# Altium PCB 11BRANMB10H2_20170927.pcbdoc (part 11 of 11)
Units mm, origin at the board's own origin, x right, y up, seen from the top; angles counter-clockwise.
Board outline 91.65 x 48.25 mm, 6 copper layers (TOP, GND1, Singal, POWER, GND2, BOTTOM), stack 0.8 mm thick; 370 components, 289 nets, 1421 pads, 980 vias.
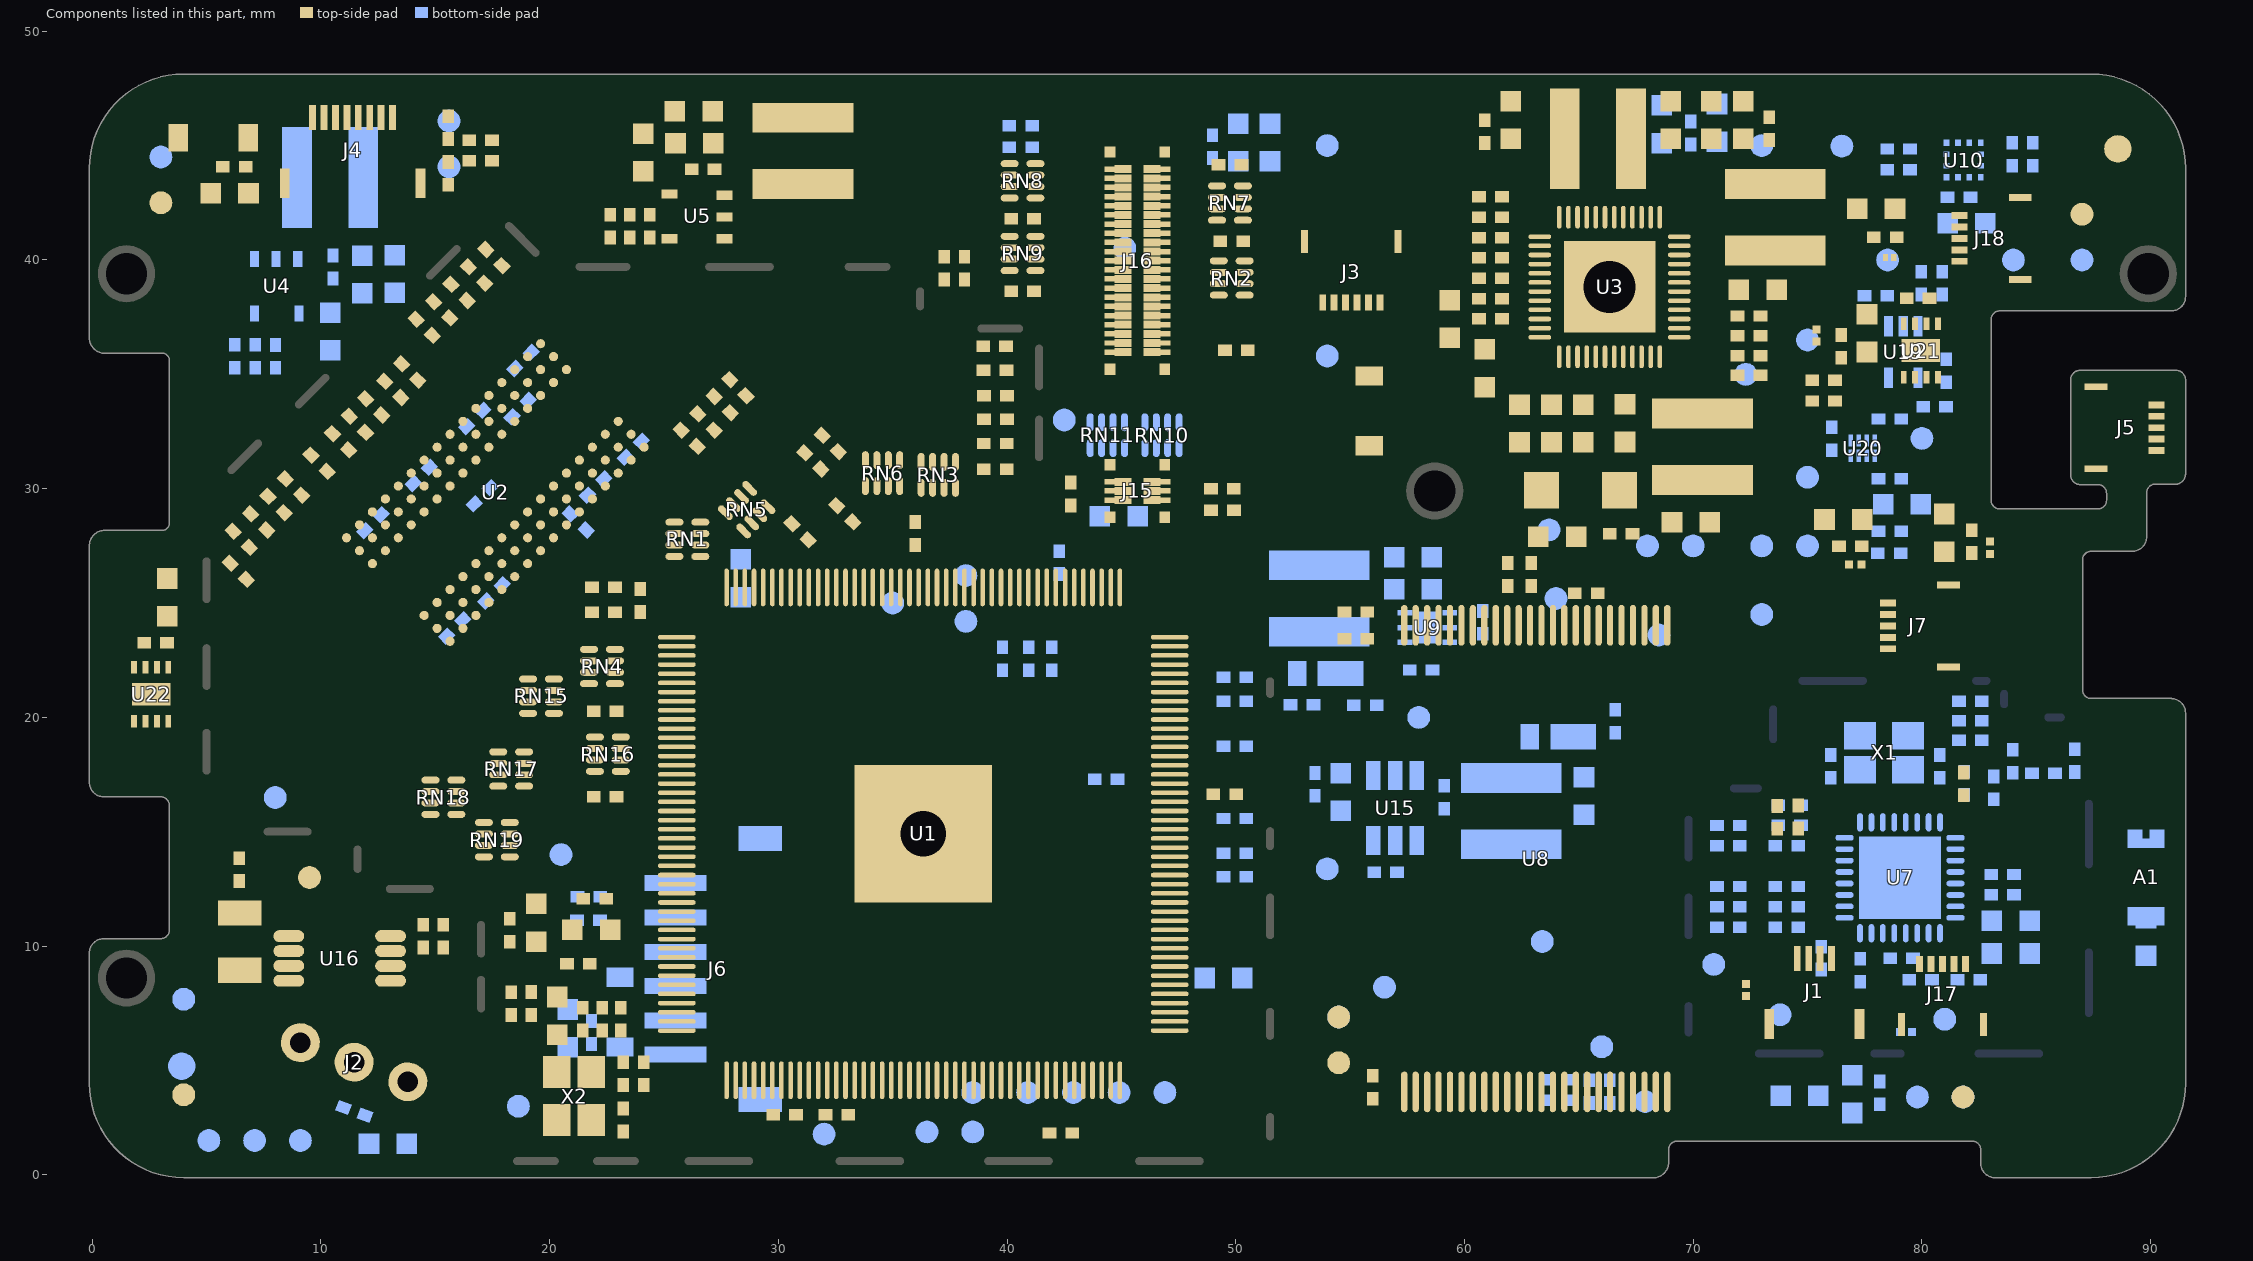
[diagram p15: the components of this part, seen from the top]

## Other copper (continued)
POWER:
  rectangle net CORE-VDD: 44.822,19.71 45.838,24.485
  rectangle net CORE-VDD: 57.065,34.518 57.522,36.22
  rectangle net CPU-VDD: 56.379,45.11 62.577,45.618
  rectangle net CORE-VDD: 59.097,35.237 59.325,39.116
  pour cut-out: 92.277,26.695 92.277,30.556 85.216,30.556 85.139,30.632 84.53,30.023 84.53,28.981 84.581,28.931 86.384,28.931 86.384,26.67
  pour cut-out: 92.277,26.681 92.277,30.542 85.216,30.542 85.139,30.618 84.53,30.009 84.53,28.967 84.581,28.916 86.384,28.916 86.384,26.656
  pour cut-out: 62.039,33.63 61.988,33.68 61.988,35.357 66.713,35.357 66.738,35.331 66.713,35.306 66.713,34.188 68.186,34.188 68.237,34.239 68.287,34.188 71.589,34.188 71.589,33.655 71.462,33.528 71.285,33.706 61.988,33.706
  pour cut-out: 69.354,44.425 69.354,43.815 71.564,43.815 71.564,44.348 71.513,44.399
  pour cut-out: 69.456,43.078 69.456,39.675 71.437,39.675 71.462,39.7 71.361,39.802 71.361,42.977
  pour cut-out: 71.158,38.71 69.43,38.71 69.43,34.112 69.634,33.909 71.564,33.909 71.564,38.659 71.589,38.684
  pour cut-out: 63.588,44.577 68.186,44.577 68.211,44.552 68.211,43.942 63.588,43.942
  pour cut-out: 10.507,34.899 10.964,34.442 10.964,34.417 13.097,36.55 12.462,37.185 12.132,37.185 10.253,35.306
  pour cut-out: 55.063,42.672 55.058,42.667 55.058,41.554 55.033,41.529 52.747,41.529 52.747,42.24 52.772,42.265
  pour cut-out: 20.667,14.529 28.21,14.529 28.464,14.783 28.464,23.469 28.566,23.571 28.972,23.571 29.023,23.52 29.023,14.275 28.896,14.148 20.667,14.148
  pour cut-out: 40.386,31.623 40.792,31.623 40.792,30.835 40.03,30.073 39.218,30.073 39.218,30.302 39.167,30.353 40.386,31.572
  pour cut-out: 26.949,6.197 26.949,5.461 27,5.41 28.804,7.213 28.829,7.213 28.829,7.366 31.039,9.576 30.861,9.753 30.632,9.753
  pour cut-out: 91.634,17.043 88.205,17.043 88.18,17.018 88.18,9.068 92.142,9.068
  pour cut-out: 81.677,38.811 81.677,28.702 84.776,28.702 84.776,37.058 84.725,37.109 84.776,37.16 88.307,37.16 88.307,38.811
  pour cut-out: 81.013,43.129 85.077,43.129 85.077,38.755 81.013,38.755
GND1:
  pour cut-out: 92.277,26.695 92.277,30.556 85.216,30.556 85.139,30.632 84.53,30.023 84.53,28.981 84.581,28.931 86.384,28.931 86.384,26.67
  pour cut-out: 91.634,17.018 88.205,17.018 88.18,16.992 88.18,9.042 92.142,9.042
  pour cut-out: 81.677,38.811 81.677,28.702 84.776,28.702 84.776,37.058 84.725,37.109 84.776,37.16 88.307,37.16 88.307,38.811
  pour cut-out: 81.013,43.129 85.077,43.129 85.077,38.755 81.013,38.755
GND2:
  pour cut-out: 92.277,26.695 92.277,30.556 85.216,30.556 85.139,30.632 84.53,30.023 84.53,28.981 84.581,28.931 86.384,28.931 86.384,26.67
  pour cut-out: 91.634,17.018 88.205,17.018 88.18,16.992 88.18,9.042 92.142,9.042
  pour cut-out: 81.677,38.811 81.677,28.702 84.776,28.702 84.776,37.058 84.725,37.109 84.776,37.16 88.307,37.16 88.307,38.811
  pour cut-out: 81.013,43.129 85.077,43.129 85.077,38.755 81.013,38.755
BOTTOM:
  rectangle net USBVBUS: 53.509,43.993 54.55,45.567
  rectangle net IPSOUT: 61.002,20.675 61.51,22.25
  rectangle net VCC-WIFI-3V3: 81.982,12.446 82.566,13.817
  rectangle net BAT: 17.462,2.438 19.24,3.607
  rectangle net VCC-5V: 17.856,5.867 20.041,8.103
  rectangle net DCIN-5V: 53.378,35.23 55.257,36.322
  rectangle net USBVBUS: 53.153,42.773 54.597,44.78
  rectangle net VCC-5V: 57.213,19.406 58.712,20.599
  rectangle net DRAM-VCC: 6.032,15.824 8.75,17.094
  rectangle net CORE-VDD: 36.338,18.237 37.786,19.253
  pour cut-out: 92.277,26.695 92.277,30.556 85.216,30.556 85.139,30.632 84.53,30.023 84.53,28.981 84.581,28.931 86.384,28.931 86.384,26.67
  pour cut-out: 88.218,16.954 88.218,17.281 88.231,17.294 88.335,17.294 88.335,17.237 88.448,17.124 88.382,17.059 88.382,16.938
  pour cut-out: 63.767,18.563 63.767,19.731 63.716,19.782 63.69,19.757 63.69,18.563 63.665,18.538
  pour cut-out: 59.271,17.979 58.966,17.979 58.961,17.984 58.961,18.258 59.144,18.258 59.144,18.106 59.245,18.106 59.271,18.08
  pour cut-out: 63.767,18.563 63.767,18.004 63.462,18.004 63.462,18.106 63.69,18.106 63.665,18.131 63.665,18.563
  pour cut-out: 9.665,45.942 9.614,45.891 9.614,41.243 11.036,41.243 11.087,41.192 11.239,41.345 11.239,45.91
  pour cut-out: 59.276,26.307 59.55,26.307 59.55,26.167 59.276,26.167
  pour cut-out: 55.176,41.91 55.181,41.905 55.181,41.123 62.115,41.123 62.039,41.199 62.039,41.656
  pour cut-out: 89.932,16.967 89.932,14.275 89.958,14.249 89.983,14.275 90.644,14.275 90.644,16.992 91.482,16.992 91.482,9.042 91.456,9.017 90.339,9.017 90.339,10.058 89.297,10.058 89.297,8.966 89.259,9.004 88.218,9.004 88.218,16.954 88.205,16.967
  pour cut-out: 33.553,6.604 33.604,6.655 35.357,6.655 35.357,6.172 35.331,6.197 33.579,6.197
  pour cut-out: 81.677,38.811 81.677,28.702 84.776,28.702 84.776,37.058 84.725,37.109 84.776,37.16 88.307,37.16 88.307,38.811
  pour cut-out: 83.6,43.129 83.6,40.9 83.5,40.8 81.013,40.8 81.013,38.755 85.077,38.755 85.077,43.129

## Silkscreen, mask and mechanical layers (free items; w line width, h text height)
Silkscreen Top:
  lines w0.381: 5,17.2 5,15 7.2,15 ; 5,19.7 5,21 ; 5,23.4 5,24.8 ; 5,27.2 5,29.75 5.77,30.469 ; 7.591,32.287 8.757,33.376 ; 9.8,15 11.6,15 11.6,14.5 ; 10.436,35.186 14.472,39.04 ; 11.6,13 11.6,12.5 12.6,12.5 ; 15.2,12.5 17,12.5 17,11.3 ; 16.176,40.749 17.64,42.147 ; 17,7 17,0.6 18.2,0.6 ; 17,8.8 17,9.3 ; 17.664,42.132 17.926,41.858 ; 19.696,39.998 19.994,39.7 20.9,39.7 ; 20.6,0.6 21.6,0.6 ; 23.7,39.7 26.5,39.7 ; 24.2,0.6 25.6,0.6 ; 29.2,0.6 32.2,0.6 ; 30.1,39.7 32.6,39.7 ; 35.2,39.7 36.2,39.7 36.2,39 ; 35.8,0.6 38.8,0.6 ; 36.2,37 38.5,37 ; 36.2,37.022 36.2,37.6 ; 40.8,37 41.4,37 41.4,36.5 ; 41.4,31 41.4,27.45 51.5,27.45 51.5,22 ; 41.4,33.5 41.4,34.1 ; 42.3,0.6 45.3,0.6 ; 48.8,0.6 51.5,0.6 51.5,1.2 ; 51.5,3 51.5,5.7 ; 51.5,7.6 51.5,10.1 ; 51.5,12.5 51.5,14 ; 51.5,15.4 51.5,20.6
  text "11BRANMB10H2-ClearGrass-2017/9/27-PVT" at 36.117,46.507 h1.27
  text "4#" at 19.342,1.676 h0.76 r90
Silkscreen Bottom:
  drawing of 636 lines, arcs and shapes, not listed
  text "4#" at 77.381,20.599 h0.76
  text "Danger! Electric" at 25.057,18.713 h0.76